# Altium PCB sanziqi_v1.2.PcbDoc (continued)
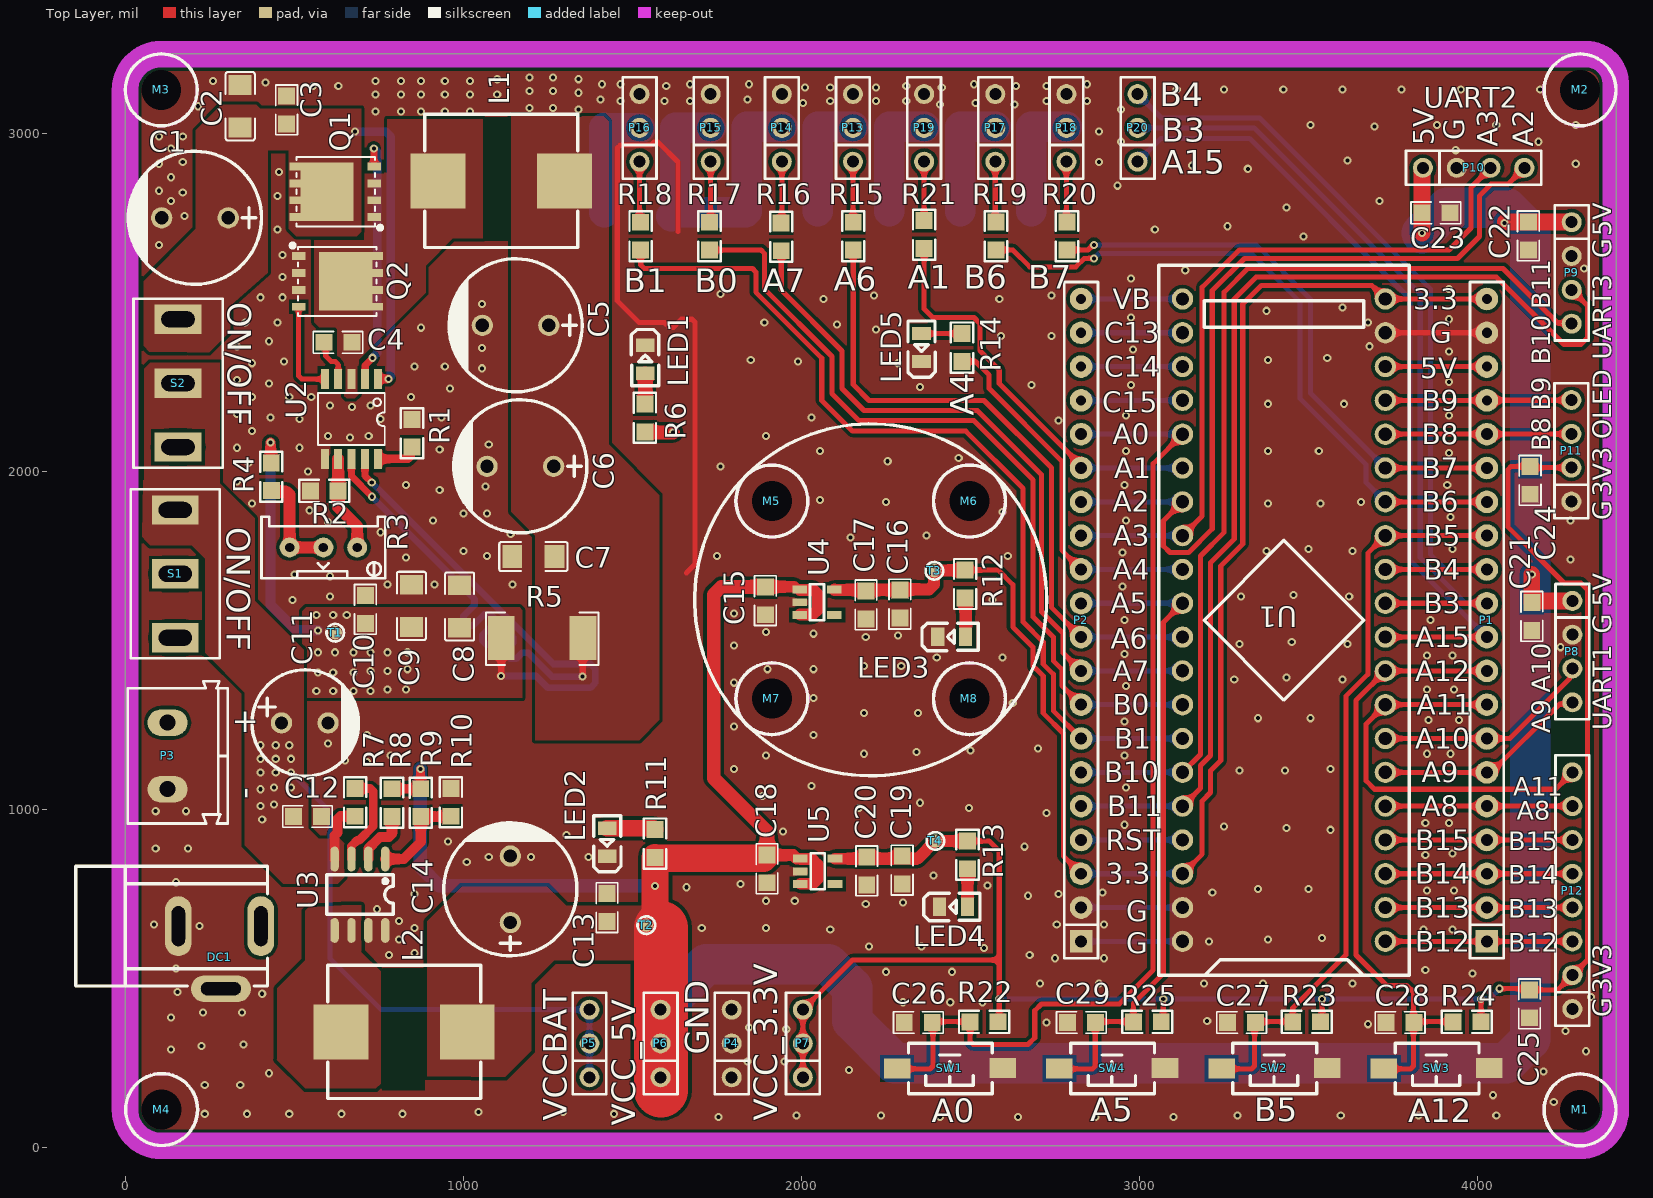
[diagram p0: Top Layer view]
## Part data (continued)
T1 T2 T3 T4: library part Testpoint-Pad-S, "测试点，就是个焊盘"
U1: JLCPCB Part Class="Extended Part", LCSC Part Name=立创·地阔星-STM32F103C8T6开发板, Manufacturer=立创开发板, Manufacturer Part=LCKFB-DKX-STM32F103C8T6, Add into BOM=yes, Convert to PCB=yes, Datasheet=https://atta.szlcsc.com/upload/public/pdf/source/20240801/7EEF69F7480DF7C6DA98696664D658D4.pdf, Device=LCKFB-DKX-STM32F103C8T6, Supplier=LCSC, Supplier Footprint=-, Supplier Part=C22396880, Symbol=LCKFB-DKX-STM32F103C8T6
U2: Input Voltage=7V~28V, JLCPCB Part Class="Extended Part", LCSC Part Name=高效同步降压DC/DC控制器, Manufacturer=NDP(芯潭微), Operating Temperature=-40℃~+150℃, Output Current=20A, Switching Frequency=300kHz, Add into BOM=yes, Convert to PCB=yes, Datasheet=https://atta.szlcsc.com/upload/public/pdf/source/20241223/4836769600561BB75D4AE5E87B409A49.pdf, Device=NDP1415RB, Function=降压型, Manufacturer Part=NDP1415RB, Number of Outputs=1, Supplier=LCSC, Supplier Footprint=SSOP-10, Supplier Part=C7420579, Switch tube (built-in/external)=外置, Symbol=NDP1415RB, Synchronous Rectification=是, Topology=降压式
U3: Input Voltage=5.5V~40V, JLCPCB Part Class="Extended Part", LCSC Part Name=高效同步降压DC/DC转换器, Manufacturer=NDP(芯潭微), Operating Temperature=-40℃~+150℃, Output Current=5A, Output Voltage=-, Quiescent Current (Iq)=1.3mA, Switching Frequency=300kHz, Add into BOM=yes, Convert to PCB=yes, Datasheet=https://atta.szlcsc.com/upload/public/pdf/source/20241223/8636749DAA6B1A5E6731A1AFEB5B6D25.pdf, Device=NDP2450KC, Function=降压型, Manufacturer Part=NDP2450KC, Number of Outputs=1, Output Type=可调, Supplier=LCSC, Supplier Footprint=SOP-8, Supplier Part=C7420594, Switch tube (built-in/external)=内置, Symbol=NDP2450KC, Synchronous Rectification=-, Topology=降压式
U4 U5: "3.3V 500mA SOT-23-5 LDO"

## Via types
v1: diameter 24, hole 12, Top Layer to Bottom Layer, tented both sides, 476 vias
v2: diameter 24, hole 12, Top Layer to Bottom Layer, 5 vias

## Nets (pads, with @x,y where several pads share a name; then routed paths per layer and width w, separated by ;. In a path a pad name is that pad's centre, name@x,y a point inside that pad or via, vN(x,y) a via of type N, cw(c..) or ccw(c..) an arc to the next point about the centre after c; other vN are vias at no path point)
A0: C26.2 P2.16 R22.1 SW1.2 U1.25 | length 3009.7
  Top Layer w15: SW1.2@2287.03,232.76 2380.24,232.76 2389.03,241.55 2389.03,371.01 2390.73,372.71 R22.1@2501.09,372.71 ; R22.1 2499,313.79 2507.79,305 2670,305 2690,325 2690,405 2710,425 2940,425 3040,525 3040,2023 U1.25
  Bottom Layer w15: P2.16 U1.25
A1: P2.15 R21.1 U1.26 | length 1213.2
  Top Layer w15: R21.1 2362.92,2480 2387.92,2455 2510,2455 2527.5,2437.5 2527.5,2357.5 2585,2300 2585,2260 2827,2018 P2.15
  Bottom Layer w15: P2.15 U1.26
A2: P2.14 P10.4 U1.27 | length 2484.5
  Top Layer w15: U1.27 3070,1853 3070,1780 3090,1760 3145,1760 3215,1830 3215,2535 3310,2630 3940,2630 4005,2695 4005,2815 4040,2850 4090,2850 P10.4
  Bottom Layer w15: P2.14 U1.27
A3: P2.13 P10.3 U1.28 | length 2128.5
  Top Layer w15: U1.28 3185,1868 3185,2545 3295,2655 3915,2655 3980,2720 3980,2840 P10.3
  Bottom Layer w15: P2.13 U1.28
A4: P2.12 R14.2 U1.29 | length 1084.2
  Top Layer w15: R14.2 2515,2325 2555,2285 2555,2245 2770,2030 2770,1767 P2.12
  Bottom Layer w15: P2.12 U1.29
A5: C29.2 P2.11 R25.1 SW4.2 U1.30 | length 1943.6
  Top Layer w15: SW4.2@2766.81,232.76 2860.02,232.76 2868.81,241.55 C29.2@2868.81,371.01 ; C29.2@2870.51,372.71 R25.1@2980.86,372.71 ; R25.1 2981.7,426.7 3070,515 3070,1553 U1.30
  Bottom Layer w15: P2.11 U1.30
A6: P2.10 R15.1 U1.31 | length 1923
  Top Layer w15: R15.1 2153.2,2256.8 2200,2210 2540,2210 2740,2010 2740,1597 P2.10
  Bottom Layer w15: P2.10 U1.31
A7: P2.9 R16.1 U1.32 | length 2106.3
  Top Layer w15: R16.1 1940.2,2536.25 2120,2356.45 2120,2245 2185,2180 2520,2180 2710,1990 2710,1585 2773.5,1521.5 2773.5,1463.5 P2.9
  Bottom Layer w15: P2.9 U1.32
A8: P1.5 P12.7 U1.5 | length 553
  Top Layer w15: U1.5 P1.5 P12.7
A9: P1.6 P8.4 U1.6 | length 938.8
  Top Layer w15: U1.6 4040,1110 4241.71,1311.71 4274.72,1311.71 P8.4
  Bottom Layer w15: U1.6 P1.6
A10: P1.7 P8.3 U1.7 | length 951.6
  Top Layer w15: U1.7 4095,1210 4271.58,1386.58 4271.58,1408.57 P8.3
  Bottom Layer w15: U1.7 P1.7
A11: P1.8 P12.8 U1.8 | length 1189.7
  Top Layer w15: P1.8 U1.8 3670,1253 3670,1085 3695,1060 4230,1060 P12.8
A12: C28.2 P1.9 R24.1 SW3.2 U1.9 | length 1809.3
  Top Layer w15: SW3.2@3726.36,232.76 3801.21,232.76 3810,241.55 3810,367.86 C28.2 3810,371.86 3810,460 3790,480 3730,480 3640,570 3640,1323 U1.9 P1.9 ; C28.2@3830.06,372.71 R24.1@3940.42,372.71
A15: P1.10 P20.1 U1.10 | length 2425.4
  Top Layer w15: U1.10 P1.10
  Bottom Layer w15: P20.1 3063,2985 3325,2985 3800,2510 3800,1737 P1.10
B0: P2.8 R17.1 U1.33 | length 2388.4
  Top Layer w15: R17.1 1880.3,2654.7 1890,2645 1890,2540 2090,2340 2090,2230 2170,2150 2510,2150 2685,1975 2685,1570 2745,1510 2745,1440 2770,1415 2770,1367 P2.8
  Bottom Layer w15: P2.8 U1.33
B1: P2.7 R18.1 U1.34 | length 2668
  Top Layer w15: R18.1 1524.2,2610.8 1535,2600 1855,2600 1865,2590 1865,2530 2060,2335 2060,2210 2151.09,2118.91 2486.09,2118.91 2655,1950 2655,1555 2715,1495 2715,1430 2745,1400 2745,1292 P2.7
  Bottom Layer w15: P2.7 U1.34
B3: P1.11 P20.2 U1.11 | length 2372.3
  Top Layer w15: U1.11 P1.11
  Bottom Layer w15: P20.2 3339,3016 3830,2525 3830,1745 3965,1610 P1.11
B4: P1.12 P20.3 U1.12 | length 2375.2
  Top Layer w15: U1.12 P1.12
  Bottom Layer w15: P20.3 3065,3045 3355,3045 3860,2540 3860,1755 3905,1710 P1.12
B5: C27.2 P1.13 R23.1 SW2.2 U1.13 | length 2181.1
  Top Layer w15: SW2.2@3246.59,232.76 3331.21,232.76 3340,241.55 3340,366.86 C27.2 ; C27.2@3350.29,372.71 3452.29,372.71 R23.1 3453,413 3610,570 3610,1335 3675,1400 3675,1758 U1.13 P1.13
B6: P1.14 R19.1 U1.14 | length 1991.7
  Top Layer w15: R19.1 2625,2655 2675,2605 2811.28,2605 2836.28,2630 v1(2865,2630) ; U1.14 P1.14
  Bottom Layer w15: v1(2865,2630) 2880,2645 3330,2645 3475,2500 3475,2215 3670,2020 3670,1967 U1.14
B7: P1.15 R20.1 U1.15 | length 1684.4
  Top Layer w15: R20.1 2847.56,2655 2862.56,2670 v1(2865,2670) ; U1.15 P1.15
  Bottom Layer w15: v1(2865,2670) 3345,2670 3505,2510 3505,2232 U1.15
B8: P1.16 P11.3 U1.16 | length 550.4
  Top Layer w15: U1.16 P1.16 4027.5,2110.5 4276.5,2110.5 P11.3
B9: P1.17 P11.4 U1.17 | length 550.4
  Top Layer w15: U1.17 P1.17 4027.5,2210.5 4276.5,2210.5 P11.4
B10: P2.6 P9.4 U1.35 | length 2895.5
  Top Layer w15: U1.35 3180,1163 3180,1750 3250,1820 3250,2530 3320,2600 4075,2600 4236.21,2438.79 4276.21,2438.79 P9.4
  Bottom Layer w15: P2.6 U1.35
B11: P2.5 P9.3 U1.36 | length 3187.9
  Top Layer w15: U1.36 3180,1063 3180,1130 3210,1160 3210,1730 3280,1800 3280,2510 3345,2575 4055,2575 4255,2375 4305,2375 4325,2395 4325,2490 P9.3
  Bottom Layer w15: P2.5 U1.36
B12: P1.1 P12.3 U1.1 | length 553
  Top Layer w15: U1.1 P1.1 P12.3
B13: P1.2 P12.4 U1.2 | length 553
  Top Layer w15: U1.2 P1.2 P12.4
B14: P1.3 P12.5 U1.3 | length 553
  Top Layer w15: U1.3 P1.3 P12.5
B15: P1.4 P12.6 U1.4 | length 553
  Top Layer w15: U1.4 P1.4 P12.6
GND: C1.2 C2.1 C3.1 C5.2 C6.2 C7.2 C8.2 C9.2 C10.2 C11.2 C12.2 C13.1 C14.2 C15.1 C16.1 C17.1 C18.1 C19.1 C20.1 C21.1 C22.1 C23.1 C24.2 C25.2 C26.1 C27.1 C28.1 C29.1 DC1.2 DC1.3 LED1.2 LED2.2 LED3.2 LED4.2 LED5.2 M1.1 M2.1 M3.1 M4.1 M5.1 M6.1 M7.1 M8.1 P1.19 P2.1 P2.2 P3.1 P4.1 P4.2 P4.3 P8.2 P9.2 P10.2 P11.1 P12.1 P13.3 P14.3 P15.3 P16.3 P17.3 P18.3 P19.3 Q2.1 Q2.2 Q2.3 R1.2 R2.2 R10.2 SW1.1 SW2.1 SW3.1 SW4.1 U1.19 U1.39 U1.40 U2.6 U3.7 U3.8 U4.2 U5.2 | length 2795.5
  Top Layer w15: 1635,2710 1635,2915 1576.21,2973.79 1563.79,2973.79 1555,2965 1463.79,2965 1455,2956.21 1455,2505 1520,2440 1595,2440 1608.79,2426.21 1621.21,2426.21 1645,2450 1676.21,2450 1685,2441.21 1685,1725 1660,1700 ; U1.19 P1.19
  Bottom Layer w15: P2.1 U1.40 ; P2.2 U1.39
  other v1: 1755,90 2410,90 2640,90 2870,90 3100,90 1985,95 2235,95 3290,95 3595,95 3825,95 4055,95 235,100 360,100 485,100 640,100 820,100 1445,100 1045,105 1295,105 4225,135 4045,155 235,185 340,185 425,220 4195,225 2140,230 1840,255 1950,255 4320,285 135,290 225,300 350,305 4260,345 1955,350 1845,355 3675,365 2725,370 3200,375 135,385 230,400 345,400 2300,430 2440,430 2535,430 4335,445 405,455 155,460 2705,485 2880,485 3190,485 3365,485 3630,485 3985,515 2250,520 2445,520 3845,525 150,530 2750,560 2895,560 780,570 2675,570 855,575 2540,590 2200,595 2355,595 3205,610 810,615 3380,615 3540,620 2085,645 3840,645 3925,645 855,650 1705,650 1895,650 220,655 85,660 2755,660 2895,660 810,670 745,705 2190,720 2300,725 1895,730 1980,730 2670,745 855,750 2760,750 2890,755 3215,755 3850,760 3930,760 3350,765 3500,765 1660,770 2550,775 1820,780 150,785 2390,805 1010,845 1075,860 1200,860 1370,860 3845,865 3925,870 90,885 185,885 2660,890 955,905 1140,925 1305,925 1945,935 3565,940 3435,945 3250,950 2955,955 3845,960 3915,960 2725,990 90,995 180,995 2170,1005 2495,1005 2350,1020 1885,1040 2960,1065 2030,1070 3295,1115 3430,1115 1800,1120 3565,1120 715,1140 650,1145 785,1160 1895,1160 2955,1160 2185,1165 3850,1165 3920,1165 2340,1170 2500,1175 2700,1180 600,1195 715,1220 2035,1220 1800,1245 2955,1260 660,1265 3855,1265 3945,1265 3350,1270 3505,1270 2185,1285 2345,1285 2625,1315 2035,1330 3850,1355 3930,1355 2960,1365 1800,1375 3280,1385 3600,1385 3435,1390 1900,1415 2035,1415 2185,1425 2295,1425 2400,1450 2595,1450 3850,1455 3925,1455 2955,1460 4245,1480 1800,1485 3295,1490 3615,1490 3450,1495 2190,1510 2285,1515 2035,1520 1895,1525 2955,1560 3860,1560 1800,1580 495,1620 2565,1620 605,1630 3300,1630 3620,1630 3455,1635 2950,1660 775,1665 915,1665 1145,1665 605,1690 500,1695 4275,1740 830,1745 1070,1750 1750,1750 2610,1750 2950,1760 1000,1765 3375,1765 3630,1765 3500,1770 3925,1770 2145,1805 2370,1810 1140,1815 755,1820 600,1850 910,1855 2960,1855 4275,1855 3920,1865 1000,1875 1070,1875 2595,1880 545,1885 375,1905 3380,1905 3535,1905 2250,1910 3655,1910 2055,1915 930,1945 1065,1955 830,1960 2955,1960 3910,1960 330,1970 540,2000 1005,2010 1760,2015 365,2025 2255,2030 2465,2040 3915,2055 2055,2060 2960,2060 3380,2060 3530,2060 930,2065 330,2070 515,2070 1075,2080 665,2100 600,2105 720,2105 1895,2105 375,2120 2760,2150 515,2155 755,2155 430,2160 935,2160 2030,2160 2960,2165 3915,2165 330,2170 670,2190 605,2195 725,2195 3380,2200 3605,2200 375,2220 485,2220 550,2220 845,2220 960,2245 2350,2250 2680,2255 2975,2255 425,2260 3915,2265 330,2270 1055,2305 855,2310 945,2310 375,2320 2285,2320 470,2325 1990,2325 1850,2330 3380,2330 3555,2335 3915,2355 2980,2360 1055,2365 330,2370 3680,2370 425,2385 2590,2400 2740,2400 2220,2420 875,2425 970,2430 2105,2435 355,2440 450,2440 1890,2440 3675,2440 3915,2450 2975,2455 3375,2475 3600,2485 1055,2495 2065,2510 2585,2510 400,2515 465,2515 2215,2520 2740,2520 1760,2525 3915,2540 2975,2570 465,2575 3135,2595 4315,2600 465,2640 100,2670 3485,2695 450,2715 3045,2715 3260,2725 175,2755 3435,2780 135,2800 3710,2800 450,2815 170,2825 100,2830 2935,2845 135,2870 455,2885 3320,2895 3155,2905 100,2910 4290,2910 170,2915 2880,2915 3615,2920 3935,2950 135,2955 2945,2975 4180,2975 100,2990 170,2990 2880,3005 3695,3020 3505,3025 3880,3025 4055,3025 4290,3025 740,3065 815,3065 875,3065 945,3065 1020,3065 1340,3070 2945,3070 1195,3075 1265,3075 215,3080 2410,3085 2630,3085 2005,3090 2515,3090 1465,3095 1595,3095 1670,3095 2085,3095 2220,3095 2310,3095 2725,3095 2845,3095 1405,3100 1840,3100 740,3115 815,3115 875,3115 945,3115 1020,3115 1100,3115 1340,3120 1195,3125 1265,3125 3110,3130 3250,3130 3425,3130 3600,3130 3775,3130 3950,3130 4185,3130 2010,3135 2085,3135 2220,3135 2415,3135 555,3140 630,3140 1600,3140 2310,3140 2635,3140 2725,3140 1410,3145 1465,3145 1670,3145 1845,3145 2510,3145 2845,3145 415,3150 260,3155 740,3155 815,3155 875,3155 945,3155 1020,3155 1100,3160 1340,3160 1195,3165 1265,3165
NetC1_1: C1.1 C2.2 C3.2 Q1.5 Q1.6 Q1.7 Q1.8 Q1.9 S2.3 U2.1 | length 861.4
  Top Layer w15: U2.1 U2.1@748.28,2273.64
  Top Layer w25: U2.1@748.28,2273.64 v1(778.39,2273.64)
  Bottom Layer w25: v1(680,3005) 770.36,3005 785,2990.36 785,2280.25 v1(778.39,2273.64)
NetC4_1: C4.1 L1.1 Q1.1 Q1.2 Q1.3 Q2.5 Q2.6 Q2.7 Q2.8 Q2.9 U2.3
NetC4_2: C4.2 U2.4 | length 136.9
  Top Layer w15: C4.2 593,2377 593,2341 609.16,2324.84 621.21,2324.84 629.74,2316.32 629.74,2281.83 625.32,2277.42 U2.4
NetC5_1: C5.1 C6.1 C7.1 L1.2 R5.1 U2.8 | length 1392
  Top Layer w20: U2.8 669,1986 v1(730,1925) ; v1(1352.72,1393) R5.1@1352.72,1506
  Bottom Layer w20: v1(730,1925) 997.5,1657.5 1004.57,1650.43 1032.86,1622.14 1032.86,1605.17 1000.33,1572.65 1000.33,1555.68 1011.64,1544.36 1028.61,1544.36 1061.84,1577.59 1078.81,1577.59 1090.13,1566.28 1090.13,1549.31 1056.9,1516.08 1056.9,1499.11 1068.21,1487.79 1085.18,1487.79 1118.41,1521.02 1135.38,1521.02 1146.69,1509.71 1146.69,1492.74 1127.91,1473.95 1127.91,1456.98 1139.22,1445.67 1156.19,1445.67 1174.28,1463.75 1191.25,1463.75 1195.43,1459.57 1202.5,1452.5 1262,1393 v1(1352.72,1393)
NetL2_1: L2.1 U3.5 U3.6
NetLED1_1: LED1.1 R6.1 | length 91.8
  Top Layer w15: R6.1 R6.1@1538,2200.5
  Top Layer w40: R6.1@1538,2200.5 LED1.1
NetLED2_1: LED2.1 R11.1 | length 143.6
  Top Layer w50: LED2.1 1562.4,944.7 R11.1
NetLED3_1: LED3.1 R12.1 | length 115.6
  Top Layer w15: R12.1 R12.1@2485.36,1624.65
  Top Layer w35: LED3.1 R12.1@2485.36,1624.65
NetLED4_1: LED4.1 R13.1 | length 112.8
  Top Layer w15: R13.1@2491.01,824.5 R13.1
  Top Layer w35: LED4.1 R13.1@2491.01,824.5
NetLED5_1: LED5.1 R14.1 | length 120
  Top Layer w15: LED5.1 2474.4,2407.7 R14.1
NetP1_18: P1.18 U1.18 | length 300
  Top Layer w15: U1.18 P1.18
NetP2_4: P2.4 U1.37 | length 300
  Bottom Layer w15: P2.4 U1.37
NetP2_20: P2.20 U1.21 | length 300
  Bottom Layer w15: P2.20 U1.21
NetP13_1: P13.1 R15.2 | length 179.3
  Top Layer w15: P13.1 2152.29,2737.71 R15.2
NetP14_1: P14.1 R16.2 | length 183.4
  Top Layer w15: R16.2@1931.33,2737 1941.86,2747.53 P14.1
NetP15_1: P15.1 R17.2 | length 180.6
  Top Layer w15: R17.2 1731.44,2740.77 P15.1
NetP16_1: P16.1 R18.2 | length 180.2
  Top Layer w15: P16.1 1521.01,2739.99 R18.2
NetP17_1: P17.1 R19.2 | length 178.1
  Top Layer w15: R19.2@2568,2740 2573.14,2745.14 P17.1
NetP18_1: P18.1 R20.2 | length 180.3
  Top Layer w15: R20.2@2779.8,2737.3 2783.57,2741.07 P18.1
NetP19_1: P19.1 R21.2 | length 181
  Top Layer w15: R21.2@2358,2737 R21.2 P19.1
NetQ1_4: Q1.4 U2.2 | length 754.7
  Top Layer w20: U2.2 710.12,2274.86 710.12,2315.12 v1(731,2336) ; v1(735,2955) 735.58,2954.42 735.58,2902.58 Q1.4
  Bottom Layer w25: v1(731,2336) 745,2350 745,2945 v1(735,2955)
NetQ2_4: Q2.4 U2.5 | length 286.2
  Top Layer w15: Q2.4 512.84,2281.9 521.63,2273.11 U2.5
NetR1_1: R1.1 U2.10 | length 128.2
  Top Layer w25: U2.10 836.21,2036.89 845,2045.68 845,2068.5 R1.1
NetR2_1: R2.1 R3.1 U2.7 | length 285.2
  Top Layer w35: U2.7 R2.1 629.63,1894.37 686,1838 R3.1
NetR3_2: R3.2 R3.ADJ R4.2 | length 315.1
  Top Layer w35: R4.2 435,1940 477.21,1940 486,1931.21 R3.2 R3.ADJ
NetR7_1: R7.1 U3.3 | length 288.2
  Top Layer w25: U3.3 669,892 686,909 692,909 734,951 734,1053.51 725.21,1062.3 R7.1
NetR8_2: R8.2 U3.2 | length 169.7
  Top Layer w15: 749,914 754,919
  Top Layer w30: U3.2 719,884 749,914 ; 754,919 780.21,919 789,927.79 R8.2
NetR9_2: R9.2 R10.1 U3.1 | length 290.3
  Top Layer w30: U3.1 823.61,853.61 874,904 R9.2 962,979 R10.1
OSC32_IN: P2.18 U1.23 | length 300
  Bottom Layer w15: P2.18 U1.23
OSC32_OUT: P2.17 U1.24 | length 300
  Bottom Layer w15: P2.17 U1.24
TAMPER-RTC: P2.19 U1.22 | length 300
  Bottom Layer w15: P2.19 U1.22
VCC: DC1.1 P3.2 S1.2
VCC_3.3V: C19.2 C20.2 C24.1 C25.1 P7.1 P7.2 P7.3 P11.2 P12.2 R13.2 R22.2 R23.2 R24.2 R25.2 T4.1 U5.5 | length 5625.6
  Top Layer w15: P7.1 P7.2 P7.3 2151,555 2585,555 ; R13.2 2555,907 2585,877 2585,555 ; R22.2 2585,375.9 v1(2585,440) 2585,555 ; R25.2 3070,378.2 v2(3070,440) ; R23.2@3540,372.9 v2(3540,440) ; R24.2 4010,372.9 v1(4010,440) ; v1(4065,470) 4149.8,470 C25.1 4236.7,466.7 P12.2 4325,555 4325,1650 4305,1670 4255,1670 4090,1835 4090,2006.21 4098.79,2015 C24.1 ; C24.1@4162,2011 P11.2
  Top Layer w35: U5.5 2343.41,854.4 T4.1 R13.2
  Bottom Layer w15: v1(2585,440) v1(4010,440) 4035,440 v1(4065,470)
VCC_5V: C13.2 C14.1 C15.2 C18.2 C21.2 C22.2 C23.2 L2.2 P6.1 P6.2 P6.3 P8.1 P9.1 P10.1 R8.1 R9.1 R11.2 T2.1 U4.1 U4.3 U5.1 U5.3 | length 10102.5
  Top Layer w25: R8.1 R9.1 ; R9.1@873,1062.1 v1(873,1120) ; U4.1@1978.06,1658.7 1986.35,1650.4 U4.1 U4.1@1995.51,1649.71 ; U4.3 U4.3@1995.51,1576.29 ; U5.3 U5.3@1997.51,780.29 ; U5.1 U5.1@1997.51,853.71
  Top Layer w35: T2.1 1541,664.59 1567,690.59 ; C15.2 U4.1@1978.06,1658.7 ; C18.2 1904.5,866 1905.5,865 1975.5,865 1986.1,854.4 U5.1 ; U4.3@1995.51,1576.29 2032.29,1576.29 2049,1593 2049,1635.07 2034.36,1649.71 U4.1@1995.51,1649.71 ; U5.3@1997.51,780.29 2033.04,780.29 2047,794.24 2047,837 2030.29,853.71 U5.1@1997.51,853.71
  Top Layer w40: C15.2 1763.43,1658.7 1740,1635.27 1740,1093 1898,935 C18.2
  Top Layer w50: v2(3835,2705) C23.2 3835,2895 P10.1 ; v1@4082.1,2737.7 C22.2 4277.3,2737.7 P9.1 ; v2(4160,1695) 4160,1612.8 C21.2 4164.4,1617 P8.1
  Top Layer w80: 1567,690.59 v1(1567,774.3) R11.2 1569.14,855.86 1887.86,855.86 C18.2
  Top Layer w160: 1585,169.67 1585,650
  Bottom Layer w40: v1(873,1120) 873,830 928.7,774.3 v1(1567,774.3)
  Bottom Layer w120: P6.1 P6.2 P6.3 1717.83,542.5 2079.71,542.5 2150,472.21 2150,375 2275,250 4084.71,250 4155,320.29 4155,2709.71 4084.71,2780 3910,2780 v2(3835,2705)
  other v1: 4079.1,2734.7
VCC_MCU_3.3V: C16.2 C17.2 P1.20 P2.3 R12.2 T3.1 U1.20 U1.38 U4.5 | length 4353.7
  Top Layer w15: R12.2 2581.7,1708.3 2625,1665 2625,1540 2685,1480 2685,1423.79 2693.79,1415 2695,1415 2715,1395 2715,1285 2775,1225 2775,862 P2.3 ; U1.38 3185,868 3185,1025 3210,1050 3210,1115 3240,1145 3240,1720 3305,1785 3305,2495 3360,2550 3687,2550 U1.20 P1.20
  Top Layer w35: U4.5 2097.87,1649.71 2290.09,1649.71 C16.2 2293.4,1651 2377.36,1651 2392,1665.64 2392,1705 T3.1 2394.15,1707.15 2482.66,1707.15 R12.2
  Bottom Layer w15: P2.3 U1.38
VCC_Servo_5V: C8.1 C9.1 C10.1 P13.2 P14.2 P15.2 P16.2 P17.2 P18.2 P19.2 R4.1 R5.2 R6.2 T1.1 U2.9 | length 4930.2
  Top Layer w15: R6.2 R6.2@1539,2115
  Top Layer w20: U2.9 709.06,2036.2 709.06,1986.94 v1(729,1967) ; v1@1112.28,1396.28 R5.2
  Top Layer w25: v1(1111,1395) v1@1112.28,1396.28
  Top Layer w30: v2(430,2085) 430,2027.1 R4.1
  Top Layer w40: R6.2@1539,2115 v1(1620,2115)
  Bottom Layer w20: v1(729,1967) 1266,1430 1375.36,1430 1390,1415.36 1390,1374.64 1375.36,1360 1250,1360 1215,1395 v1(1111,1395)
  Bottom Layer w30: v2(430,2085) 430,1605 505,1530 v1(570,1530)
  Bottom Layer w90: 1416.22,2766.22 1416.22,3016 ; 1417.51,3015.1 P16.2@1522.72,3015.1 ; 1615,2755 1626.22,2766.22 1834.94,2766.22 1838.16,2769.44 1838.16,3019.22 P14.2@1943.37,3019.22 ; 1626.22,2767.19 1626.22,3016.96 P15.2@1731.44,3016.96 ; 2048.59,2769.44 2048.59,3019.22 P13.2@2153.8,3019.22 ; 2259.01,2769.44 2259.01,3019.22 P19.2@2364.23,3019.22 ; 2469.44,2769.44 2469.44,3019.22 P17.2@2574.66,3019.22 ; 2679.87,2769.44 2679.87,3019.22 P18.2@2785.08,3019.22
  other v1: 565,1350 615,1350 675,1350 725,1350 775,1355 830,1355 570,1405 615,1405 675,1405 725,1410 775,1410 835,1415 570,1465 620,1465 675,1465 725,1465 775,1465 835,1465 565,1575 615,1575 655,1575
VCCBAT: C11.1 C12.1 P5.1 P5.2 P5.3 R7.2 S1.3 S2.2 U3.4 | length 1805.6
  Top Layer w30: U3.4 619,923 628,932 628,971.21 636.79,980 R7.2
  Bottom Layer w15: v1(490,1110) 605,995 605,560 757,408 P5.3 P5.2 P5.1
  other v1: 405,970 400,1010 440,1015 400,1060 440,1065 490,1065 400,1110 445,1110 400,1150 445,1150 490,1150 400,1190 445,1190 485,1190
pads on no net: S1.1 S2.1 U4.4 U5.4

## Polygon pours and split planes (outlines as drawn)
GND on Bottom Layer "GND_L02_P016" (solid, remove dead copper, pour order 16): 30,3230 50,3230 70,3250 4360,3250 4420,3190 4420,50 4360,-10 60,-10 -20,70 -20,3175 10,3205
VCCBAT on Bottom Layer "VCCBAT_L02_P012" (solid, remove dead copper, pour order 12): 385,1330 385,965 490,860 490,150 1425,150 1425,450 790,450 695,545 695,1010 545,1160 545,1330
VCC_Servo_5V on Bottom Layer "VCC_SERVO_5V_L02_P011" (solid, remove dead copper, pour order 11): 1360,2860 1365,2865 2750,2865 2750,2565 1360,2565 1360,2635
VCC_Servo_5V on Bottom Layer "VCC_SERVO_5V_L02_P010" (solid, remove dead copper, pour order 10): 540,1595 545,1600 760,1600 1020,1340 1420,1340 1420,1435 1360,1495 1360,2860 1710.41,2860 1705,2330 1705,1065 1600,960 965,960 910,1015 910,1135 895,1150 840,1150 660,1330 540,1330 540,1590 550,1600
no net on Bottom Layer "NONET_L02_P004" (solid, remove dead copper, pour order 4): 1498,651
VCC on Bottom Layer "VCC_L02_P000" (solid, remove dead copper, pour order 0): 323.45,551.55 255,620 214,1094 132,1143 50,1185 50,1769 83,1802 214,1802 253,1763 253,1308 377,1184 377,963 487,853 487,578 463,554 438,554
GND on Top Layer "GND_L01_P017" (solid, remove dead copper, pour order 17): 40,3240 55,3255 4364.39,3255 4430,3189.39 4430,75 4345,-10 85,-10 -20,95 -8.74,106.26 -8.74,3189.67
NetL2_1 on Top Layer "NETL2_1_L01_P002" (solid, remove dead copper, pour order 2): 640,717 698,717 698,581 697,580 755,522 755,249 755,189 741,175 533,175 448,260 450,262 450,472 532,554 532,700 543,711
NetC4_1 on Top Layer "NETC4_1_L01_P007" (solid, remove dead copper, pour order 7): 648,2307 648,2223 655,2216 678,2216 690,2228 690,2330 786,2426 888,2528 888,2608 969,2689 1058,2689 1058,3042 775,3042 775,3009 775,2882.75 707,2882.75 707,2684 559,2684 559,2441 574,2426 621,2426 627,2420 627,2336 634,2329
VCC_Servo_5V on Top Layer "VCC_SERVO_5V_L01_P009" (solid, remove dead copper, pour order 9): 523,1586 535,1598 1166,1598 1174,1590 1174,1330 524.27,1330
NetC5_1 on Top Layer "NETC5_1_L01_P008" (solid, remove dead copper, pour order 8): 1177,3052 1204,3051 1415,3051 1430,3036 1430,2080 1580,1930 1580,1265 1520,1205 1212,1205 1212,1810 1142,1880 1142,3052
NetC1_1 on Top Layer "NETC1_1_L01_P006" (solid, remove dead copper, pour order 6): 184,2353 249,2353 310,2414 310,2490 421,2587.12 421,2950.1 484,2950.1 484,2718 506,2696 685,2696 698,2709 698,3073 399,3073 388,3084 284,3084 209,3009 209,2718 54,2563 54,2371 71,2354
VCCBAT on Top Layer "VCCBAT_L01_P005" (solid, remove dead copper, pour order 5): 51.32,1890.18 56,1894.85 56,2304 74,2322 280,2322 280,1832 242,1794 62,1794 49.65,1806.35
VCC_5V on Top Layer "VCC_5V_L01_P003" (solid, remove dead copper, pour order 3): 1023,209 1124,209 1201,286 1201,486 1269,554 1610,554 1610,716 1304,716 1248,772 995,772 893,670 893,211
VCCBAT on Top Layer "VCCBAT_L01_P001" (solid, remove dead copper, pour order 1): 53,1974 270,1974 383,1861 383,1617 528,1472 528,1087 542,1073 541,1072 541,945 572,914 634,914 648,900 648,800 628,780 467,780 353,894 353,1346 236,1463 236,1742 196,1782 74,1782 49.65,1806.35

## Keep-outs
Keep-Out Layer:
  lines w78.74: 4319.19,3233.97 cw(c4321.59,3147.59) 4407.97,3149.99 ; 4321.59,3234.01 107,3234.01 ccw(c106,3127.01) -1,3128.01 -1,112.01 ccw(c106.5,112.51) 107,5.01 4302,5.01 ccw(c4302,111.01) 4408,111.01 4408,3147.59

## Other copper
Top Layer:
  pour cut-out: 762.21,529.21 763,530 885,530 885,170 760,170
  pour cut-out: 1065.21,3049.21 1129.01,3049.21 1131.8,3052 1135,3048.8 1135,2680 1062.32,2680 1061.9,2679.58

## Silkscreen, mask and mechanical layers (free items; w line width, h text height)
Top Overlay:
  circle w10: c2204.6,1620.09 r520.59
  text "B4" at 3060,3080 h70
  text "UART2" at 3840,3075 h60
  text "G" at 3960,2980 h60 r90
  text "B3" at 3065,2975 h70
  text "5V" at 3870,2965 h60 r90
  text "A3" at 4060,2960 h60 r90
  text "A2" at 4165,2960 h60 r90
  text "A15" at 3065,2880 h70
  text "5V" at 4395,2695 h55 r90
  text "G" at 4395,2630 h55 r90
  text "A1" at 2315,2540 h70
  text "B6" at 2480,2540 h70
  text "B7" at 2670,2540 h70
  text "A6" at 2095,2535 h70
  text "B1" at 1475,2530 h70
  text "B0" at 1685,2530 h70
  text "A7" at 1885,2530 h70
  text "ON/OFF" at 303.72,2500.82 h70 r270
  text "VB" at 2920,2480 h60
  text "3.3" at 3810,2480 h60
  text "B11" at 4215,2480 h55 r90
  text "C13" at 2895,2380 h60
  text "G" at 3860,2380 h60
  text "UART3" at 4395,2330 h55 r90
  text "B10" at 4215,2315 h55 r90
  text "C14" at 2895,2280 h60
  text "5V" at 3830,2275 h60
  text "B9" at 3835,2180 h60
  text "B9" at 4215,2180 h55 r90
  text "C15" at 2890,2175 h60
  text "A4" at 2510,2165 h70 r90
  text "OLED" at 4395,2095 h55 r90
  text "A0" at 2920,2080 h60
  text "B8" at 3835,2080 h60
  text "B8" at 4215,2060 h55 r90
  text "A1" at 2925,1980 h60
  text "B7" at 3835,1980 h60
  text "3V3" at 4395,1925 h55 r90
  text "A2" at 2920,1880 h60
  text "B6" at 3835,1880 h60
  text "G" at 4395,1855 h55 r90
  text "ON/OFF" at 300,1835 h70 r270
  text "A3" at 2920,1780 h60
  text "B5" at 3840,1780 h60
  text "A4" at 2920,1680 h60
  text "B4" at 3840,1680 h60
  text "5V" at 4395,1600 h55 r90
  text "A5" at 2915,1580 h60
  text "B3" at 3840,1580 h60
  text "G" at 4395,1520 h55 r90
  text "A15" at 3815,1480 h60
  text "A6" at 2915,1475 h60
  text "A7" at 2920,1380 h60
  text "A12" at 3815,1380 h60
  text "A10" at 4215,1345 h55 r90
  text "B0" at 2920,1280 h60
  text "A11" at 3820,1280 h60
  text "UART1" at 4395,1235 h55 r90
  text "+" at 315,1228.34 h70
  text "A9" at 4215,1225 h55 r90
  text "B1" at 2925,1180 h60
  text "A10" at 3815,1180 h60
  text "B10" at 2895,1080 h60
  text "A9" at 3835,1080 h60
  text "A11" at 4105,1040 h55
  text "-" at 384.99,1030 h70 r90
  text "B11" at 2905,980 h60
  text "A8" at 3835,980 h60
  text "A8" at 4115,970 h55
  text "RST" at 2900,880 h60
  text "B15" at 3815,880 h60
  text "B15" at 4090,880 h55
  text "3.3" at 2900,780 h60
  text "B14" at 3815,780 h60
  text "B14" at 4090,780 h55
  text "B13" at 3815,680 h60
  text "B13" at 4090,680 h55
  text "G" at 2960,670 h60
  text "B12" at 3815,580 h60
  text "B12" at 4090,580 h55
  text "G" at 2960,575 h60
  text "3V3" at 4395,455 h55 r90
  text "G" at 4395,385 h55 r90
  text "GND" at 1725,275 h70 r90
  text "VCCBAT" at 1305,80 h70 r90
  text "VCC_3.3V" at 1928.34,80 h70 r90
  text "A5" at 2854.34,77.67 h70
  text "B5" at 3339.68,78.45 h70
  text "A0" at 2385,75 h70
  text "A12" at 3795,75 h70
  text "VCC_5V" at 1508.34,65 h70 r90
Mechanical 1:
  lines w10: 106,3234.94 ccw(c106.47,3128.47) 0,3128 0,110 ccw(c107.5,112.5) 110,5 4302,5 ccw(c4302.8,111.65) 4409.45,110.85 ; 106,3234.94 ccw(c106,3234.94) 106,3234.94 ; 106,3234.94 4302.63,3234.94 cw(c4302.81,3128.29) 4409.45,3128.47 4409.45,110.85 ; 4409.45,110.85 ccw(c4409.45,110.85) 4409.45,110.85
Drill Drawing:
  text ".Legend" at 4805,1999.99 h60

## Dimensions
106,3234.94 to 110,5 on Mechanical 1
0,230 to 4410,225 on Mechanical 1